# Altium PCB mycarV2.PcbDoc (part 3 of 5)
Units mm, origin at the board's own origin, x right, y up, seen from the top; angles counter-clockwise.
Board outline 144.36 x 103.75 mm, 2 copper layers (Top Layer, Bottom Layer); 186 components, 0 nets, 548 pads, 74 vias.
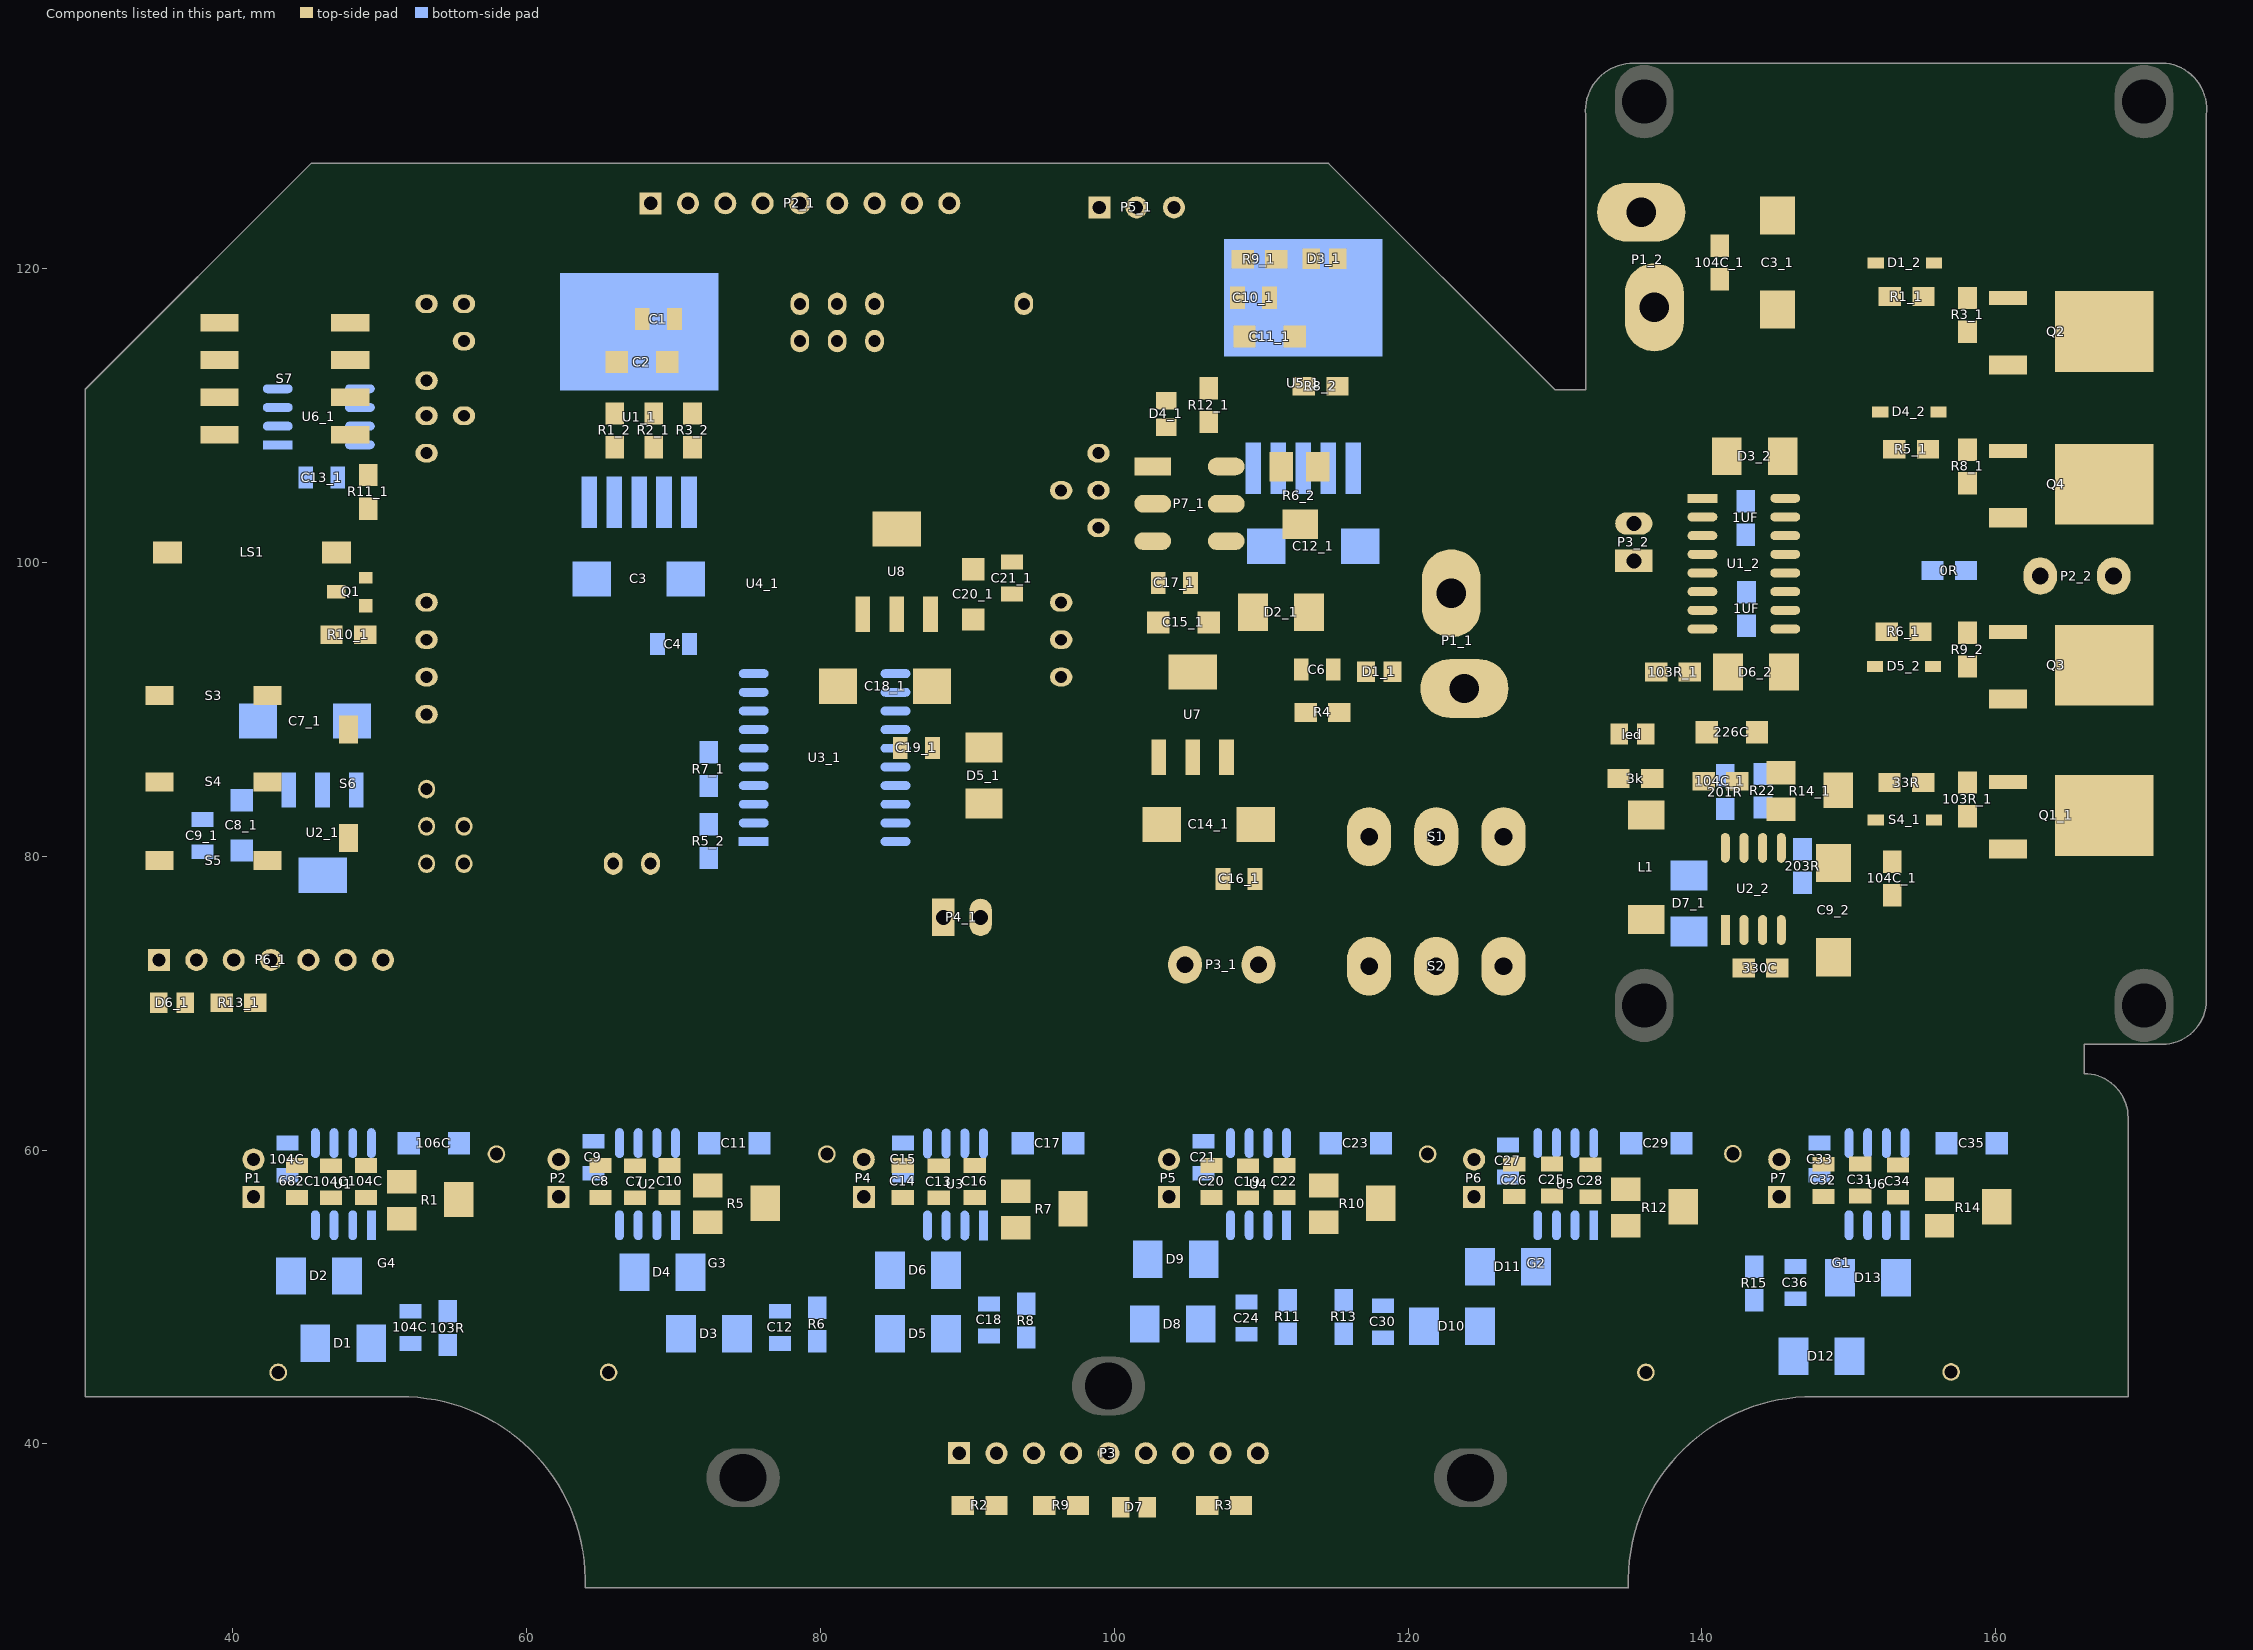
[diagram p3: the components of this part, seen from the top]

## Via types
v1: diameter 0.508, hole 0.381, Top Layer to Bottom Layer, 70 vias
v2: diameter 0.762, hole 0.508, Top Layer to Bottom Layer, 4 vias

## Nets (pads, with @x,y where several pads share a name; then routed paths per layer and width w, separated by ;. In a path a pad name is that pad's centre, name@x,y a point inside that pad or via, vN(x,y) a via of type N, cw(c..) or ccw(c..) an arc to the next point about the centre after c; other vN are vias at no path point) (continued)
copper on no net: (continued)
  Top Layer w0.025: 58.834,74.131 58.911,74.131 ; 58.834,74.664 59.012,74.664 ; 58.834,74.69 59.038,74.69 ; 58.86,70.88 59.063,70.88 ; 58.86,72.302 58.911,72.302 ; 58.86,74.08 58.961,74.08 ; 58.86,74.715 59.063,74.715 ; 58.885,70.854 59.088,70.854 ; 58.885,71.718 58.936,71.718 ; 58.885,72.201 58.936,72.201 ; 58.885,74.741 59.088,74.741 ; 58.911,70.804 59.114,70.804 ; 58.911,70.829 59.114,70.829 ; 58.911,71.743 59.012,71.743 ; 58.911,73.801 58.936,73.801 ; 58.911,73.826 58.936,73.826 ; 58.911,73.852 58.936,73.852 ; 58.911,73.877 58.961,73.877 ; 58.911,73.902 58.961,73.902 ; 58.911,73.928 58.961,73.928 ; 58.911,74.055 59.038,74.055 ; 58.911,74.766 59.088,74.766 ; 58.911,74.791 59.114,74.791 ; 58.936,70.778 59.139,70.778 ; 58.936,71.591 59.038,71.591 ; 58.936,71.616 59.088,71.616 ; 58.936,71.642 59.012,71.642 ; 58.936,71.769 59.088,71.769 ; 58.936,71.947 59.012,71.947 ; 58.936,71.972 59.012,71.972 ; 58.936,73.953 58.987,73.953 ; 58.936,73.979 59.038,73.979 ; 58.936,74.004 59.012,74.004 ; 58.936,74.029 59.012,74.029 ; 58.936,74.817 59.139,74.817 ; 58.961,70.753 59.19,70.753 ; 58.961,71.566 58.987,71.566 ; 58.961,71.667 59.012,71.667 ; 58.961,74.842 59.165,74.842 ; 58.987,70.727 59.215,70.727 ; 58.987,71.693 59.038,71.693 ; 58.987,71.794 59.088,71.794 ; 58.987,74.08 59.038,74.08 ; 58.987,74.868 59.19,74.868 ; 59.012,70.702 59.215,70.702 ; 59.012,71.718 59.063,71.718 ; 59.012,73.928 59.114,73.928 ; 59.012,73.953 59.19,73.953 ; 59.012,74.893 59.215,74.893 ; 59.038,70.677 59.241,70.677 ; 59.038,71.413 59.088,71.413 ; 59.038,71.439 59.088,71.439 ; 59.038,71.464 59.114,71.464 ; 59.038,71.642 59.139,71.642 ; 59.038,71.743 59.088,71.743 ; 59.038,71.82 59.088,71.82 ; 59.038,73.801 59.114,73.801 ; 59.038,73.826 59.114,73.826 ; 59.038,73.852 59.292,73.852 ; 59.038,73.877 59.114,73.877 ; 59.038,73.902 59.114,73.902 ; 59.038,74.918 59.241,74.918 ; 59.038,74.944 59.266,74.944 ; 59.063,70.651 59.292,70.651 ; 59.063,71.388 59.088,71.388 ; 59.063,71.489 59.139,71.489 ; 59.063,73.775 59.139,73.775 ; 59.088,70.6 59.317,70.6 ; 59.088,70.626 59.317,70.626 ; 59.088,71.337 59.165,71.337 ; 59.088,71.362 59.165,71.362 ; 59.088,71.515 59.241,71.515 ; 59.088,71.667 59.139,71.667 ; 59.088,73.725 59.165,73.725 ; 59.088,73.75 59.165,73.75 ; 59.088,73.979 59.19,73.979 ; 59.088,74.004 59.19,74.004 ; 59.088,74.029 59.19,74.029 ; 59.088,74.969 59.292,74.969 ; 59.088,74.995 59.317,74.995 ; 59.114,70.575 59.342,70.575 ; 59.114,73.699 59.165,73.699 ; 59.139,70.55 59.393,70.55 ; 59.139,73.801 59.292,73.801 ; 59.139,73.826 59.292,73.826 ; 59.139,73.877 59.215,73.877 ; 59.139,73.902 59.215,73.902 ; 59.139,73.928 59.215,73.928 ; 59.139,74.055 59.215,74.055 ; 59.139,75.02 59.342,75.02 ; 59.139,75.045 59.368,75.045 ; 59.165,73.775 59.19,73.775 ; 59.165,74.08 59.215,74.08 ; 59.19,70.524 59.419,70.524 ; 59.19,71.21 59.241,71.21 ; 59.19,71.235 59.317,71.235 ; 59.19,74.106 59.342,74.106 ; 59.19,75.071 59.393,75.071 ; 59.215,70.499 59.444,70.499 ; 59.215,71.261 59.317,71.261 ; 59.215,71.413 59.266,71.413 ; 59.215,71.439 59.266,71.439 ; 59.215,71.489 59.266,71.489 ; 59.215,74.131 59.317,74.131 ; 59.215,75.096 59.444,75.096 ; 59.241,70.473 59.469,70.473 ; 59.241,71.108 59.317,71.108 ; 59.241,71.286 59.317,71.286 ; 59.241,71.464 59.266,71.464 ; 59.241,72.734 59.266,72.734 ; 59.241,74.156 59.266,74.156 ; 59.241,75.122 59.469,75.122 ; 59.241,75.147 59.495,75.147 ; 59.266,70.448 59.495,70.448 ; 59.266,73.953 59.317,73.953 ; 59.266,73.979 59.317,73.979 ; 59.292,70.423 59.546,70.423 ; 59.292,71.134 59.342,71.134 ; 59.292,71.159 59.393,71.159 ; 59.292,71.21 59.342,71.21 ; 59.292,71.312 59.368,71.312 ; 59.292,72.505 60.003,72.505 ; 59.292,72.531 60.079,72.531 ; 59.292,72.556 60.13,72.556 ; 59.292,72.582 60.155,72.582 ; 59.292,72.607 60.206,72.607 ; 59.292,72.632 60.282,72.632 ; 59.292,72.658 60.333,72.658 ; 59.292,72.683 60.333,72.683 ; 59.292,72.709 60.409,72.709 ; 59.292,72.734 60.46,72.734 ; 59.292,72.759 60.511,72.759 ; 59.292,72.785 60.536,72.785 ; 59.292,72.81 60.612,72.81 ; 59.292,72.836 60.663,72.836 ; 59.292,72.861 60.714,72.861 ; 59.292,72.886 60.739,72.886 ; 59.292,72.912 60.816,72.912 ; 59.292,72.937 60.841,72.937 ; 59.292,72.963 60.917,72.963 ; 59.292,72.988 60.943,72.988 ; 59.292,73.013 61.019,73.013 ; 59.292,73.039 61.044,73.039 ; 59.292,73.064 61.12,73.064 ; 59.292,73.09 61.171,73.09 ; 59.292,73.115 61.197,73.115 ; 59.292,74.004 59.342,74.004 ; 59.292,74.029 59.342,74.029 ; 59.292,74.055 59.342,74.055 ; 59.292,74.08 59.342,74.08 ; 59.292,75.172 59.52,75.172 ; 59.317,70.397 59.571,70.397 ; 59.317,71.185 59.419,71.185 ; 59.317,71.337 59.342,71.337 ; 59.317,72.328 59.673,72.328 ; 59.317,72.353 59.723,72.353 ; 59.317,72.378 59.749,72.378 ; 59.317,72.404 59.8,72.404 ; 59.317,72.429 59.876,72.429 ; 59.317,72.455 59.927,72.455 ; 59.317,72.48 59.952,72.48 ; 59.317,73.14 61.095,73.14 ; 59.317,73.166 61.044,73.166 ; 59.317,73.191 60.993,73.191 ; 59.317,73.217 60.943,73.217 ; 59.317,73.242 59.698,73.242 ; 59.317,75.198 59.571,75.198 ; 59.342,70.372 59.596,70.372 ; 59.342,71.007 59.469,71.007 ; 59.342,72.226 61.578,72.226 ; 59.342,72.251 61.527,72.251 ; 59.342,72.277 61.501,72.277 ; 59.342,72.302 61.451,72.302 ; 59.342,73.267 59.774,73.267 ; 59.342,73.293 59.825,73.293 ; 59.342,73.318 59.85,73.318 ; 59.342,73.344 59.901,73.344 ; 59.342,73.369 59.952,73.369 ; 59.342,75.223 59.596,75.223 ; 59.368,70.981 59.393,70.981 ; 59.368,71.21 59.444,71.21 ; 59.368,72.175 61.679,72.175 ; 59.368,72.201 61.628,72.201 ; 59.368,73.394 60.003,73.394 ; 59.368,73.42 60.054,73.42 ; 59.393,70.346 59.647,70.346 ; 59.393,72.099 61.755,72.099 ; 59.393,72.124 61.73,72.124 ; 59.393,72.15 61.679,72.15 ; 59.393,73.445 60.104,73.445 ; 59.393,73.471 60.155,73.471 ; 59.393,73.496 60.206,73.496 ; 59.393,73.521 60.231,73.521 ; 59.393,75.249 59.647,75.249 ; 59.419,70.321 59.673,70.321 ; 59.419,70.981 59.495,70.981 ; 59.419,72.023 61.832,72.023 ; 59.419,72.048 61.806,72.048 ; 59.419,72.074 61.806,72.074 ; 59.419,73.547 60.308,73.547 ; 59.419,73.572 60.358,73.572 ; 59.419,75.274 59.673,75.274 ; 59.444,70.296 59.698,70.296 ; 59.444,71.032 59.52,71.032 ; 59.444,71.972 61.908,71.972 ; 59.444,71.997 61.882,71.997 ; 59.444,73.598 60.409,73.598 ; 59.444,73.623 60.435,73.623 ; 59.444,75.299 59.698,75.299 ; 59.469,70.27 59.749,70.27 ; 59.469,70.88 59.52,70.88 ; 59.469,70.905 59.52,70.905 ; 59.469,70.931 59.546,70.931 ; 59.469,70.956 59.546,70.956 ; 59.469,71.058 59.596,71.058 ; 59.469,71.921 61.933,71.921 ; 59.469,71.947 61.908,71.947 ; 59.469,73.648 60.511,73.648 ; 59.469,73.674 60.536,73.674 ; 59.469,75.325 59.749,75.325 ; 59.495,71.845 62.009,71.845 ; 59.495,71.87 61.984,71.87 ; 59.495,71.896 61.959,71.896 ; 59.495,73.699 60.612,73.699 ; 59.495,73.725 60.638,73.725 ; 59.495,73.75 60.689,73.75 ; 59.52,70.245 59.8,70.245 ; 59.52,70.981 59.571,70.981 ; 59.52,71.007 59.571,71.007 ; 59.52,71.083 59.571,71.083 ; 59.52,71.743 59.546,71.743 ; 59.52,71.82 62.009,71.82 ; 59.52,73.775 60.739,73.775 ; 59.52,73.801 60.816,73.801 ; 59.52,75.35 59.8,75.35 ; 59.52,75.376 59.8,75.376 ; 59.546,71.032 59.596,71.032 ; 59.546,71.718 62.111,71.718 ; 59.546,71.794 62.035,71.794 ; 59.546,73.826 60.841,73.826 ; 59.571,70.194 59.876,70.194 ; 59.571,70.219 59.825,70.219 ; 59.571,70.778 59.622,70.778 ; 59.571,71.743 62.086,71.743 ; 59.571,71.769 62.086,71.769 ; 59.571,73.852 60.892,73.852 ; 59.571,73.877 60.943,73.877 ; 59.571,74.817 59.723,74.817 ; 59.571,74.842 59.596,74.842 ; 59.571,74.893 59.596,74.893 ; 59.571,75.401 59.876,75.401 ; 59.596,70.804 59.647,70.804 ; 59.596,70.829 59.673,70.829 ; 59.596,71.693 62.111,71.693 ; 59.596,73.902 61.019,73.902 ; 59.596,73.928 61.044,73.928 ; 59.596,74.766 59.901,74.766 ; 59.596,74.791 59.647,74.791 ; 59.596,74.918 59.698,74.918 ; 59.596,74.944 59.698,74.944 ; 59.622,70.169 59.901,70.169 ; 59.622,70.854 59.749,70.854 ; 59.622,71.642 62.136,71.642 ; 59.622,71.667 62.136,71.667 ; 59.622,73.953 61.095,73.953 ; 59.622,74.741 59.8,74.741 ; 59.622,74.842 59.723,74.842 ; 59.622,75.426 59.901,75.426 ; 59.647,71.616 62.162,71.616 ; 59.647,73.979 61.146,73.979 ; 59.647,74.715 59.8,74.715 ; 59.647,74.868 59.723,74.868 ; 59.647,74.893 59.698,74.893 ; 59.673,70.143 59.977,70.143 ; 59.673,70.702 59.774,70.702 ; 59.673,70.727 59.774,70.727 ; 59.673,70.88 59.774,70.88 ; 59.673,70.905 59.774,70.905 ; 59.673,71.566 62.213,71.566 ; 59.673,71.591 62.187,71.591 ; 59.673,74.004 61.222,74.004 ; 59.673,74.029 61.222,74.029 ; 59.673,75.452 59.977,75.452 ; 59.698,70.118 60.028,70.118 ; 59.698,70.677 59.749,70.677 ; 59.698,70.753 59.723,70.753 ; 59.698,70.778 59.723,70.778 ; 59.698,70.804 59.749,70.804 ; 59.698,70.829 59.749,70.829 ; 59.698,70.931 59.723,70.931 ; 59.698,71.54 62.213,71.54 ; 59.698,74.055 61.298,74.055 ; 59.698,74.106 59.723,74.106 ; 59.698,74.614 59.876,74.614 ; 59.698,74.639 59.8,74.639 ; 59.698,74.664 59.749,74.664 ; 59.698,74.69 59.774,74.69 ; 59.698,74.791 59.749,74.791 ; 59.698,75.477 60.003,75.477 ; 59.723,70.092 60.054,70.092 ; 59.723,71.489 62.238,71.489 ; 59.723,71.515 62.238,71.515 ; 59.723,72.328 61.4,72.328 ; 59.723,73.242 60.892,73.242 ; 59.723,74.08 61.349,74.08 ; 59.723,74.588 59.825,74.588 ; 59.723,75.503 60.054,75.503 ; 59.749,70.753 59.8,70.753 ; 59.749,74.106 61.4,74.106 ; 59.749,74.131 61.425,74.131 ; 59.774,70.067 60.104,70.067 ; 59.774,70.778 59.825,70.778 ; 59.774,71.439 62.263,71.439 ; 59.774,71.464 62.263,71.464 ; 59.774,74.156 61.501,74.156 ; 59.774,74.664 59.901,74.664 ; 59.774,75.528 60.104,75.528 ; 59.8,70.804 59.876,70.804 ; 59.8,70.829 59.876,70.829 ; 59.8,71.413 62.289,71.413 ; 59.8,72.353 61.324,72.353 ; 59.8,74.182 61.552,74.182 ; 59.8,74.69 59.901,74.69 ; 59.825,70.042 60.181,70.042 ; 59.825,71.388 62.289,71.388 ; 59.825,73.267 60.816,73.267 ; 59.825,74.207 62.441,74.207 ; 59.825,74.233 62.467,74.233 ; 59.825,74.639 59.876,74.639 ; 59.825,74.715 59.901,74.715 ; 59.825,74.741 59.901,74.741 ; 59.825,74.791 59.901,74.791 ; 59.825,75.553 60.181,75.553 ; 59.85,70.575 59.901,70.575 ; 59.85,70.6 59.901,70.6 ; 59.85,70.626 59.901,70.626 ; 59.85,70.651 59.901,70.651 ; 59.85,71.362 62.314,71.362 ; 59.85,75.579 60.206,75.579 ; 59.876,70.016 60.231,70.016 ; 59.876,70.55 59.927,70.55 ; 59.876,70.677 59.927,70.677 ; 59.876,71.337 62.314,71.337 ; 59.876,72.378 61.298,72.378 ; 59.876,74.258 62.543,74.258 ; 59.876,74.283 62.924,74.283 ; 59.901,69.991 60.282,69.991 ; 59.901,70.702 60.028,70.702 ; 59.901,70.727 60.028,70.727 ; 59.901,71.286 61.019,71.286 ; 59.901,71.312 60.993,71.312 ; 59.901,75.604 60.282,75.604 ; 59.927,70.524 60.003,70.524 ; 59.927,71.235 59.952,71.235 ; 59.927,74.309 62.898,74.309 ; 59.927,74.334 62.873,74.334 ; 59.952,69.965 60.333,69.965 ; 59.952,70.499 60.003,70.499 ; 59.952,70.6 60.003,70.6 ; 59.952,71.261 61.019,71.261 ; 59.977,70.55 60.028,70.55 ; 59.977,70.575 60.028,70.575 ; 59.977,71.235 61.019,71.235 ; 59.977,73.293 60.714,73.293 ; 59.977,74.36 62.848,74.36 ; 59.977,75.63 60.333,75.63 ; 60.003,71.21 61.019,71.21 ; 60.003,72.404 61.197,72.404 ; 60.003,74.385 62.822,74.385 ; 60.028,69.94 60.409,69.94 ; 60.028,70.651 60.079,70.651 ; 60.028,70.677 60.079,70.677 ; 60.028,71.185 61.019,71.185 ; 60.028,74.41 62.797,74.41 ; 60.028,75.655 60.435,75.655 ; 60.054,70.626 60.079,70.626 ; 60.054,73.318 60.638,73.318 ; 60.054,74.436 62.746,74.436 ; 60.054,75.68 60.485,75.68 ; 60.079,69.915 60.511,69.915 ; 60.079,71.134 61.019,71.134 ; 60.079,71.159 61.019,71.159 ; 60.079,74.461 62.721,74.461 ; 60.104,69.889 60.562,69.889 ; 60.104,74.487 62.695,74.487 ; 60.104,75.706 60.562,75.706 ; 60.13,71.108 61.019,71.108 ; 60.13,72.429 61.095,72.429 ; 60.155,74.512 62.644,74.512 ; 60.181,69.864 60.663,69.864 ; 60.181,71.083 60.993,71.083 ; 60.181,74.537 62.644,74.537 ; 60.181,75.731 60.689,75.731 ; 60.206,71.032 62.594,71.032 ; 60.206,71.058 62.619,71.058 ; 60.231,69.838 60.79,69.838 ; 60.231,70.346 60.282,70.346 ; 60.231,70.372 60.282,70.372 ; 60.231,70.397 60.308,70.397 ; 60.231,74.563 62.594,74.563 ; 60.257,70.423 60.435,70.423 ; 60.257,75.757 60.79,75.757 ; 60.282,70.448 60.333,70.448 ; 60.282,70.473 60.333,70.473 ; 60.282,70.499 60.333,70.499 ; 60.282,71.007 62.543,71.007 ; 60.282,74.588 62.543,74.588 ; 60.282,75.782 60.892,75.782 ; 60.308,70.524 60.333,70.524 ; 60.308,70.55 60.333,70.55 ; 60.308,70.981 62.492,70.981 ; 60.308,74.614 62.492,74.614 ; 60.333,69.813 60.943,69.813 ; 60.333,70.296 60.409,70.296 ; 60.333,70.321 60.409,70.321 ; 60.333,70.397 60.435,70.397 ; 60.333,72.455 60.943,72.455 ; 60.333,74.639 62.467,74.639 ; 60.358,69.788 61.07,69.788 ; 60.358,70.346 60.409,70.346 ; 60.358,70.956 62.441,70.956 ; 60.384,70.372 60.435,70.372 ; 60.384,70.931 62.416,70.931 ; 60.384,74.664 62.416,74.664 ; 60.384,75.807 61.07,75.807 ; 60.409,70.448 60.46,70.448 ; 60.435,70.473 60.485,70.473 ; 60.435,70.905 62.365,70.905 ; 60.435,74.69 62.365,74.69 ; 60.46,69.762 62.365,69.762 ; 60.46,75.833 62.365,75.833 ; 60.485,70.245 60.536,70.245 ; 60.485,72.48 60.816,72.48 ; 60.511,70.27 60.689,70.27 ; 60.511,70.296 60.587,70.296 ; 60.511,70.88 62.314,70.88 ; 60.511,74.715 62.314,74.715 ; 60.511,75.096 60.562,75.096 ; 60.511,75.122 60.587,75.122 ; 60.536,69.737 62.263,69.737 ; 60.536,70.321 60.587,70.321 ; 60.536,74.741 62.289,74.741 ; 60.536,75.147 60.765,75.147 ; 60.536,75.858 62.263,75.858 ; 60.562,70.346 60.612,70.346 ; 60.562,70.854 62.238,70.854 ; 60.587,70.372 60.689,70.372 ; 60.587,75.172 60.739,75.172 ; 60.587,75.198 60.739,75.198 ; 60.587,75.249 60.739,75.249 ; 60.587,75.274 60.638,75.274 ; 60.587,75.299 60.892,75.299 ; 60.587,75.325 60.714,75.325 ; 60.587,75.35 60.714,75.35 ; 60.587,75.376 60.714,75.376 ; 60.587,75.452 60.689,75.452 ; 60.587,75.477 60.689,75.477 ; 60.612,70.245 60.689,70.245 ; 60.612,70.397 60.689,70.397 ; 60.612,70.423 60.663,70.423 ; 60.612,74.766 62.213,74.766 ; 60.612,75.122 60.689,75.122 ; 60.612,75.223 60.714,75.223 ; 60.612,75.401 60.663,75.401 ; 60.612,75.426 60.689,75.426 ; 60.612,75.884 62.213,75.884 ; 60.638,70.194 60.689,70.194 ; 60.638,70.219 60.689,70.219 ; 60.638,70.296 60.689,70.296 ; 60.638,70.321 60.689,70.321 ; 60.638,70.346 60.689,70.346 ; 60.638,70.829 62.187,70.829 ; 60.638,75.071 60.689,75.071 ; 60.638,75.096 60.79,75.096 ; 60.663,69.711 62.162,69.711 ; 60.663,75.274 60.739,75.274 ; 60.689,70.804 62.111,70.804 ; 60.689,74.791 62.136,74.791 ; 60.714,75.071 60.79,75.071 ; 60.714,75.122 60.765,75.122 ; 60.739,69.686 62.086,69.686 ; 60.739,75.325 60.892,75.325 ; 60.739,75.452 60.866,75.452 ; 60.739,75.477 60.866,75.477 ; 60.739,75.909 62.086,75.909 ; 60.765,70.778 62.06,70.778 ; 60.765,74.817 62.035,74.817 ; 60.79,70.169 60.816,70.169 ; 60.79,70.194 60.816,70.194 ; 60.79,70.219 60.841,70.219 ; 60.79,70.245 60.841,70.245 ; 60.79,70.27 60.841,70.27 ; 60.79,75.198 60.841,75.198 ; 60.79,75.223 60.917,75.223 ; 60.79,75.35 60.892,75.35 ; 60.816,70.296 60.841,70.296 ; 60.816,70.321 60.892,70.321 ; 60.816,70.346 60.892,70.346 ; 60.816,74.842 62.009,74.842 ; 60.816,75.249 60.892,75.249 ; 60.816,75.274 60.892,75.274 ; 60.816,75.376 60.892,75.376 ; 60.816,75.503 60.841,75.503 ; 60.841,75.401 60.917,75.401 ; 60.866,70.27 60.917,70.27 ; 60.866,70.296 60.917,70.296 ; 60.866,70.753 61.959,70.753 ; 60.892,69.661 61.933,69.661 ; 60.892,70.143 60.993,70.143 ; 60.892,70.169 60.993,70.169 ; 60.892,70.194 60.917,70.194 ; 60.892,70.219 60.917,70.219 ; 60.892,70.245 60.917,70.245 ; 60.892,75.172 61.044,75.172 ; 60.892,75.198 60.917,75.198 ; 60.892,75.934 61.933,75.934 ; 60.917,74.868 61.882,74.868 ; 60.917,75.147 60.993,75.147 ; 60.943,70.194 60.993,70.194 ; 60.943,70.219 60.993,70.219 ; 60.943,70.245 60.993,70.245 ; 60.943,70.27 60.993,70.27 ; 60.968,70.296 61.019,70.296 ; 60.968,70.321 61.019,70.321 ; 60.968,70.727 61.806,70.727 ; 60.993,75.198 61.07,75.198 ; 60.993,75.223 61.044,75.223 ; 61.07,69.635 61.73,69.635 ; 61.07,70.702 61.73,70.702 ; 61.07,71.134 61.298,71.134 ; 61.07,74.893 61.73,74.893 ; 61.095,70.143 61.146,70.143 ; 61.095,70.169 61.146,70.169 ; 61.095,70.194 61.146,70.194 ; 61.095,70.219 61.12,70.219 ; 61.095,70.245 61.146,70.245 ; 61.095,70.27 61.146,70.27 ; 61.095,71.108 61.247,71.108 ; 61.095,71.159 61.298,71.159 ; 61.095,71.185 61.247,71.185 ; 61.095,71.21 61.197,71.21 ; 61.095,71.235 61.197,71.235 ; 61.095,71.261 61.197,71.261 ; 61.095,71.286 61.197,71.286 ; 61.095,71.312 61.222,71.312 ; 61.12,70.118 61.298,70.118 ; 61.12,70.296 61.273,70.296 ; 61.12,71.083 61.197,71.083 ; 61.12,75.96 61.705,75.96 ; 61.146,70.092 61.273,70.092 ; 61.146,70.321 61.247,70.321 ; 61.146,73.14 61.247,73.14 ; 61.197,70.194 61.298,70.194 ; 61.197,70.219 61.222,70.219 ; 61.197,73.166 61.324,73.166 ; 61.222,70.169 61.298,70.169 ; 61.247,70.143 61.298,70.143 ; 61.247,70.27 61.298,70.27 ; 61.247,71.083 61.451,71.083 ; 61.247,71.235 61.324,71.235 ; 61.247,71.261 61.324,71.261 ; 61.247,71.286 61.324,71.286 ; 61.247,71.312 61.298,71.312 ; 61.247,73.191 61.374,73.191 ; 61.273,73.217 61.4,73.217 ; 61.298,71.185 61.324,71.185 ; 61.298,71.21 61.324,71.21 ; 61.324,71.108 61.527,71.108 ; 61.324,73.242 61.451,73.242 ; 61.349,71.134 61.552,71.134 ; 61.349,71.159 61.552,71.159 ; 61.349,71.312 61.501,71.312 ; 61.374,71.185 61.552,71.185 ; 61.374,71.235 61.451,71.235 ; 61.374,71.286 61.476,71.286 ; 61.4,70.092 61.451,70.092 ; 61.4,70.118 61.451,70.118 ; 61.4,70.143 61.451,70.143 ; 61.4,70.169 61.527,70.169 ; 61.4,70.194 61.501,70.194 ; 61.4,70.219 61.501,70.219 ; 61.4,70.245 61.527,70.245 ; 61.4,70.27 61.451,70.27 ; 61.4,70.296 61.451,70.296 ; 61.4,71.21 61.552,71.21 ; 61.4,71.261 61.451,71.261 ; 61.4,73.267 61.527,73.267 ; 61.4,75.985 61.425,75.985 ; 61.451,73.293 61.578,73.293 ; 61.476,71.235 61.501,71.235 ; 61.476,73.318 61.603,73.318 ; 61.501,70.118 61.552,70.118 ; 61.501,70.143 61.552,70.143 ; 61.501,70.27 61.527,70.27 ; 61.501,70.296 61.552,70.296 ; 61.501,71.261 61.806,71.261 ; 61.501,71.286 61.527,71.286 ; 61.527,70.092 61.578,70.092 ; 61.527,71.083 61.73,71.083 ; 61.527,73.344 61.654,73.344 ; 61.552,71.286 61.781,71.286 ; 61.578,74.055 62.111,74.055 ; 61.578,74.08 62.187,74.08 ; 61.578,74.106 62.238,74.106 ; 61.578,74.131 62.289,74.131 ; 61.578,74.156 62.34,74.156 ; 61.578,74.182 62.39,74.182 ; 61.603,71.108 61.679,71.108 ; 61.603,71.235 61.806,71.235 ; 61.603,73.369 61.705,73.369 ; 61.603,73.394 61.781,73.394 ; 61.603,73.42 61.806,73.42 ; 61.603,73.445 61.857,73.445 ; 61.603,73.471 61.908,73.471 ; 61.603,73.496 61.781,73.496 ; 61.603,73.521 61.705,73.521 ; 61.603,73.547 61.679,73.547 ; 61.603,73.572 61.654,73.572 ; 61.603,73.598 61.654,73.598 ; 61.603,73.623 61.654,73.623 ; 61.603,73.648 61.654,73.648 ; 61.603,73.674 61.654,73.674 ; 61.603,73.699 61.654,73.699 ; 61.603,73.725 61.654,73.725 ; 61.603,73.75 61.654,73.75 ; 61.603,73.775 61.679,73.775 ; 61.603,73.801 61.679,73.801 ; 61.603,73.826 61.679,73.826 ; 61.603,73.852 61.73,73.852 ; 61.603,73.877 61.781,73.877 ; 61.603,73.902 61.832,73.902 ; 61.603,73.928 61.882,73.928 ; 61.603,73.953 61.933,73.953 ; 61.603,73.979 61.984,73.979 ; 61.603,74.004 62.035,74.004 ; 61.603,74.029 62.086,74.029 ; 61.628,71.134 61.705,71.134 ; 61.628,71.159 61.73,71.159 ; 61.628,71.185 61.781,71.185 ; 61.628,71.21 61.781,71.21 ; 61.628,71.312 61.705,71.312 ; 61.654,70.194 61.705,70.194 ; 61.654,70.219 61.705,70.219 ; 61.654,70.245 61.705,70.245 ; 61.679,70.143 61.832,70.143 ; 61.679,70.169 61.73,70.169 ; 61.679,70.27 61.705,70.27 ; 61.679,70.296 61.832,70.296 ; 61.705,70.321 61.832,70.321 ; 61.73,70.118 61.806,70.118 ; 61.73,71.108 61.781,71.108 ; 61.73,75.807 62.441,75.807 ; 61.755,69.788 62.441,69.788 ; 61.755,70.702 61.781,70.702 ; 61.755,71.083 61.806,71.083 ; 61.755,71.134 61.832,71.134 ; 61.781,71.159 62.746,71.159 ; 61.806,70.169 61.857,70.169 ; 61.806,70.194 61.882,70.194 ; 61.806,70.219 61.882,70.219 ; 61.806,70.245 61.882,70.245 ; 61.806,70.27 61.857,70.27 ; 61.806,71.185 62.822,71.185 ; 61.832,71.21 62.822,71.21 ; 61.832,71.312 62.34,71.312 ; 61.832,73.496 61.984,73.496 ; 61.857,69.813 62.492,69.813 ; 61.857,71.083 62.644,71.083 ; 61.857,71.235 62.848,71.235 ; 61.857,71.261 62.873,71.261 ; 61.857,71.286 62.898,71.286 ; 61.882,70.702 61.908,70.702 ; 61.882,71.108 62.695,71.108 ; 61.882,71.134 62.746,71.134 ; 61.882,73.521 62.009,73.521 ; 61.882,75.35 61.959,75.35 